# KiCad board TERES_PCB1-A64-MAIN_Rev.B.kicad_pcb (continued)
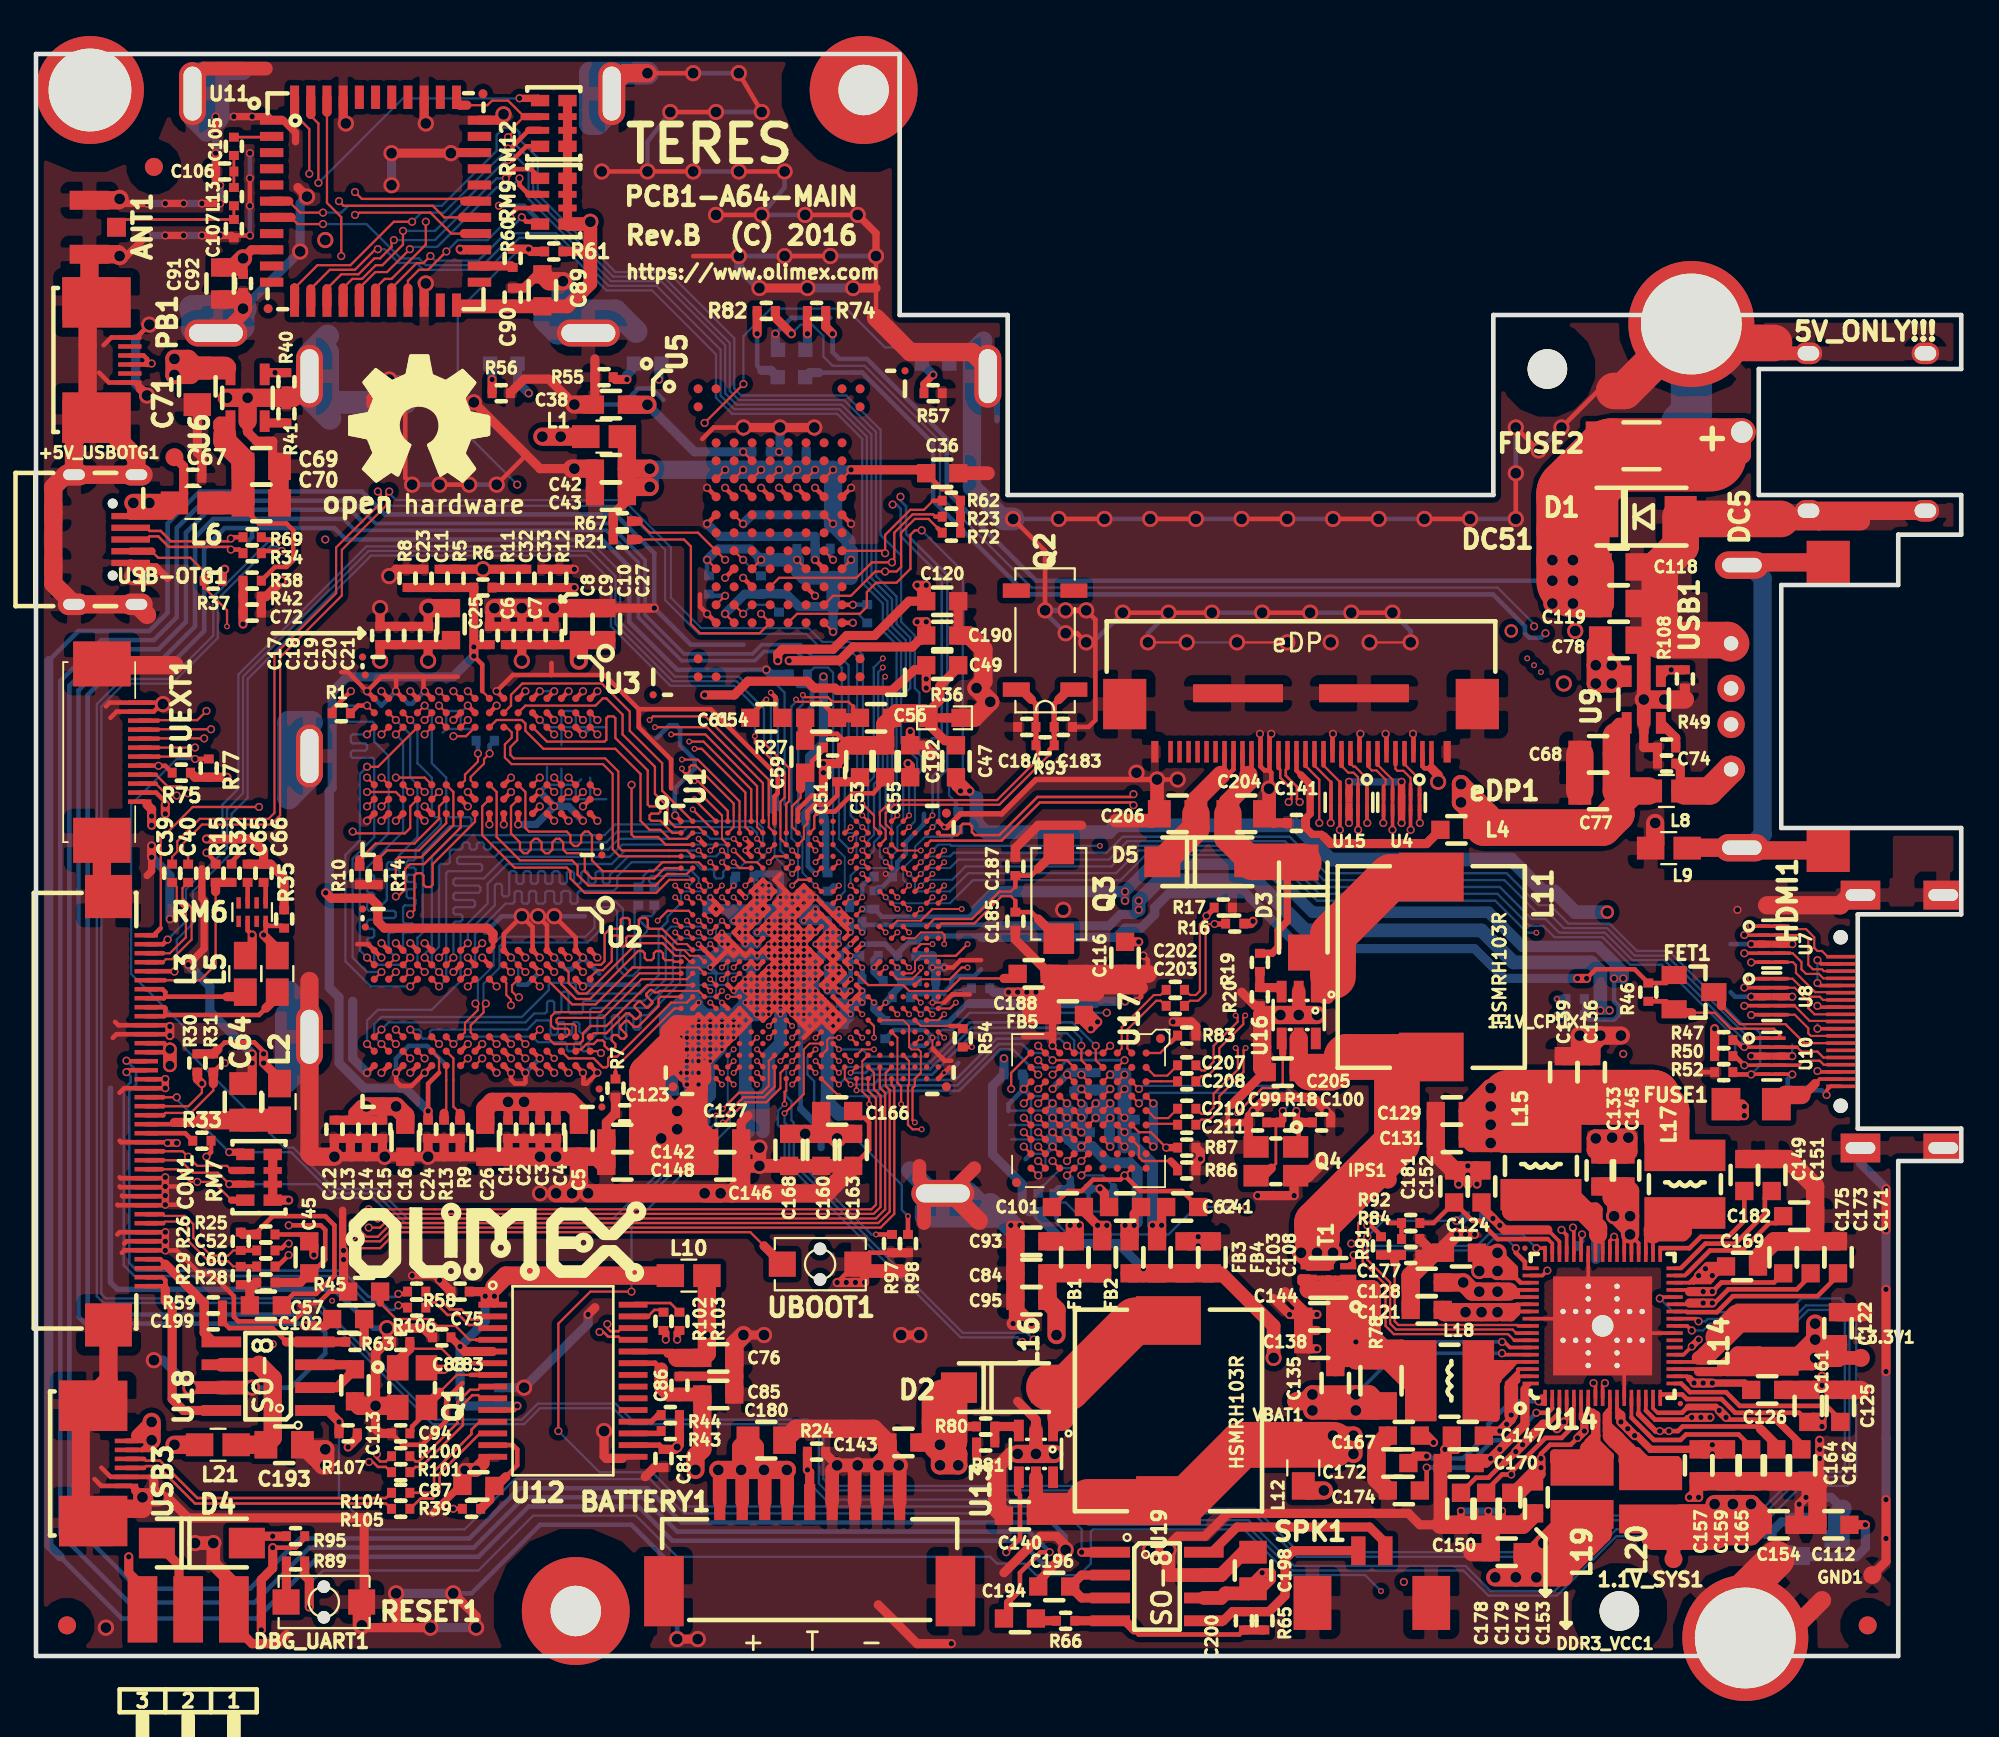
[diagram p0: board, top side]
## Routing (per net, layer and track width the routed paths; a pad name or vN(x,y) marks a point on that pad's centre or on a via; arc(x,y) is an arc through that point) (continued)
eDP_1.2V: length 60.3
  Top w0.203: U14.14 89.07,13.48
  Top w0.254: v2(90.25,12.5) v2(90.75,12.5) 91.26,12.5 91.52,12.75 95.71,12.75 95.83,12.62
  Top w0.305: v2(90.25,12.5) 90.02,12.5 89.07,13.44 89.07,13.48
  Top w0.508: 95.83,12.62 96.72,11.73 C164.2
  Top w1.016: v1(56.72,17.83) 56.72,19.23 C95.1 C84.1 FB1.1 FB2.1
  In4.Cu w0.508: 69.8,13.13 69.8,12.88 71.7,10.97 72.21,10.97 73.35,9.83 81.23,9.83 81.61,9.45 83.9,9.45 84.4,8.94 89.87,8.94 90.25,9.32 v2(90.25,12.5) v2(90.75,12.5)
  In4.Cu w0.762: 69.8,13.13 69.8,16.94 68.4,18.34 57.23,18.34 v1(56.72,17.83)
eDP_2.5V: length 87.8
  Top w0.127: U1.U16 v4(45.93,35.65)
  Top w0.203: U14.16 89.87,13.76 90.12,13.51 90.18,13.51
  Top w0.254: 90.18,13.51 91.48,13.51 91.8,13.83 91.82,13.83 ; 96.85,13 96.72,13.13 94.06,13.13 v2(93.93,13.26)
  Top w0.381: 91.82,13.83 93.36,13.83 v2(93.55,13.64)
  Top w0.406: 96.85,13 98.12,11.73 C162.2
  Top w0.508: v2(93.93,13.26) v2(93.55,13.64) ; v2(61.54,21.51) 61.54,21.26
  Top w0.762: v1(68.78,16.56) 68.78,18.34 65.86,21.26 C108.1
  Top w1.016: FB3.1 FB4.1 C103.1 C108.1
  In3.Cu w0.406: v4(45.93,35.65) 47.15,35.65 49,33.8 51.34,33.8 51.94,33.2 52,33.2
  In3.Cu w0.508: 52.02,33.2 52,33.2 v2(53.8,33.2)
  In4.Cu w0.508: v2(93.55,13.64) v2(93.93,13.26) 93.93,10.72 92.66,9.45 91.52,9.45 90.25,8.18 84.02,8.18 83.51,8.69 81.36,8.69 80.97,9.07 72.97,9.07 71.83,10.21 71.32,10.21 68.78,12.75 v1(68.78,16.56)
  Bottom w0.127: 59.51,24.69 57.73,24.69 57.23,25.2 56.21,25.2 R99.1
  Bottom w0.254: R94.1 59.51,24.69
  Bottom w0.508: v2(53.8,33.2) C209.1 53.16,31.67 53.16,27.86 54.81,26.21 54.81,25.07 55.19,24.69 R99.1 55.7,24.44 57.23,22.91 60.15,22.91 v2(61.54,21.51)
FC_HPDET: length 9.7
  Top w0.127: 9.98,42.47 9.98,38.41 9.12,37.54 7.16,37.54
  Top w0.254: CON1.35 7.16,37.54
  Top w0.508: 9.98,42.47 R15.1 R32.1
FC_HPOUTFB: length 64.1
  Top w0.107: 41.38,45.4 41.38,46.05
  Top w0.127: U1.C10 41.38,45.4 ; 41.38,46.05 41.38,47.46 41.6,47.69 41.6,49.07 39.95,50.72 v4(39.95,51.1)
  Top w0.254: v2(7.7,38.02) 7.68,38.04 CON1.36
  Bottom w0.127: v4(39.95,51.1) 39.95,52.76 38.81,53.9 35.25,53.9 31.95,57.2 31.95,59.74 30.56,61.14 18.62,61.14 11.76,54.28 11.76,47.68 10.87,46.79 10.87,44.63 8.71,42.47 8.71,40.69 7.82,39.8 7.82,38.15 v2(7.7,38.02)
FC_HPOUTL: length 9.4
  Top w0.254: 12.78,35.99 12.39,35.61 7.19,35.61 ; 7.19,35.61 7.12,35.54 CON1.31 ; 7.19,35.61 7.19,35.99 7.14,36.04 CON1.32
  Top w0.508: 12.78,35.99 13.41,36.63 L5.2
FC_HPOUTR: length 7.1
  Top w0.254: 7.1,36.54 7.19,36.63 ; 7.1,36.54 7.19,36.63 ; 7.1,36.54 CON1.33 ; 7.19,36.63 10.62,36.63 ; 7.19,36.63 7.19,36.88 7.03,37.04 CON1.34
  Top w0.508: L3.2 11.38,36.63 10.62,36.63
HUSB2-D_N: length 4.4
  Top w0.142: R58.2 21.69,20.24 21.98,19.95 22.3,19.95 23,19.25 23.63,19.25 24.19,18.69 24.58,18.69 24.75,18.87 U12.2
HUSB2-D_P: length 4.4
  Top w0.142: U12.3 24.75,18.22 24.58,18.39 24.07,18.39 23.51,18.95 22.87,18.95 22.17,19.65 21.98,19.65 21.69,19.36 R106.2
HUSB3-D_N: length 7.1
  Top w0.142: R100.1 20.8,11.1 21.09,10.81 21.28,10.81 23.42,12.94 23.42,14.08 24.13,14.79 24.58,14.79 24.75,14.97 U12.8
HUSB3-D_P: length 7.1
  Top w0.142: U12.9 24.75,14.32 24.58,14.49 24.25,14.49 23.72,13.96 23.72,12.82 21.41,10.5 21.09,10.5 20.8,10.21 R101.1
IC-CLK: length 89.4
  Top w0.107: 50.47,38.9 49.18,38.9 48.85,38.58 48.85,38.08 48.69,37.92 48.2,37.92
  Top w0.127: v2(9.73,51.49) 6.81,51.49 6.79,51.47 ; v4(51.78,39.55) 51.12,38.9 50.47,38.9
  Top w0.254: EUEXT1.9 6.79,51.47
  In3.Cu w0.127: v2(9.73,51.49) 10.24,51.99 10.24,53.77 14.17,57.71 14.17,62.92 18.49,67.23 26.36,67.23 27.64,68.5 30.43,68.5 32.08,66.85 34.37,66.85 35.51,65.71 35.51,62.53 36.4,61.65 45.41,61.65 45.92,61.14 45.92,60.11 47.32,58.71 47.32,56.44 46.69,55.8 46.69,53.9 50.24,50.34 53.16,50.34 54.18,49.33 54.18,41.2 52.53,39.55 v4(51.78,39.55)
IC-CS: length 96.2
  Top w0.107: 47.88,37.6 48.7,37.6 49.18,38.08 v4(49.18,38.25)
  Top w0.127: v2(9.47,52.5) 8.97,51.99 6.81,51.99 6.78,51.97 ; 47.88,37.6 47.55,37.92
  Top w0.254: EUEXT1.10 6.78,51.97
  In3.Cu w0.107: 53.42,37.9 49.53,37.9
  In3.Cu w0.127: 49.53,37.9 v4(49.18,38.25) ; v2(9.47,52.5) 9.47,53.77 12.9,57.2 12.9,62.53 18.24,67.87 25.86,67.87 27.13,69.14 28.52,69.14 29.67,70.28 30.3,70.28 33.1,67.49 34.75,67.49 36.14,66.09 36.14,62.92 36.91,62.15 47.83,62.15 49.99,59.99 49.99,57.22 48.84,56.08 48.84,53.65 50.88,51.61 53.8,51.61 55.45,49.96 55.45,39.93 53.42,37.9
IC-MISO: length 91.7
  Top w0.127: v2(9.35,50.98) 6.81,50.98 6.8,50.97 ; U1.K18 v4(47.22,40.2)
  Top w0.254: EUEXT1.8 6.8,50.97
  In3.Cu w0.107: 47.55,39.88 48.85,39.88 49.5,39.23 52.1,39.23
  In3.Cu w0.127: v4(47.22,40.2) 47.55,39.88 ; 52.1,39.23 52.71,39.23 54.43,40.95 54.43,49.45 53.29,50.6 50.37,50.6 47.7,53.26 47.7,58.98 46.43,60.25 46.43,61.14 45.67,61.9 36.78,61.9 35.89,62.79 35.89,65.96 34.62,67.23 32.33,67.23 30.68,68.89 27.25,68.89 25.98,67.61 18.36,67.61 13.16,62.41 13.16,57.07 9.98,53.9 9.98,52.38 9.22,51.62 9.22,51.23 9.35,51.1 v2(9.35,50.98)
IC-MOSI: length 99.1
  Top w0.127: v2(8.84,50.47) 8.83,50.47 6.8,50.47 ; U1.T21 v4(49.18,36.3)
  Top w0.254: EUEXT1.7 6.8,50.47
  In3.Cu w0.107: v4(49.18,36.3) 49.55,36.68 52.4,36.68 52.7,36.37
  In3.Cu w0.127: 52.7,36.37 56.21,36.37 57.73,37.9 57.73,42.72 56.46,43.99 56.46,50.85 50.24,57.07 50.24,60.12 47.96,62.41 47.93,62.41 37.03,62.41 36.4,63.04 36.4,66.22 34.87,67.74 33.22,67.74 30.43,70.54 29.54,70.54 28.4,69.39 27,69.39 25.73,68.12 18.11,68.12 12.65,62.66 12.65,57.33 8.97,53.65 8.97,51.23 8.86,51.12 8.86,50.72 v2(8.84,50.47)
IPS: length 324.1
  Top w0.203: 91.9,15.42 91.78,15.54 U14.19 ; 87.87,13.6 88.09,13.39 88.09,13.55 87.87,13.77 ; 87.87,13.6 87.87,13.22 v2(88.09,13) ; 87.87,13.6 87.87,13.77 ; 82.37,15.8 82.37,15.92 82.38,15.94 U14.66 ; 82.37,15.8 82.37,15.54 U14.67 ; 82.37,15.8 81.74,15.17 81.74,14.91 81.99,14.91 ; 82.47,20.34 82.37,20.24 82.37,19.99 82.42,19.94 ; 82.47,20.34 U14.55 ; 82.47,20.34 81.96,20.34 81.86,20.24 82.17,19.94 82.42,19.94 ; 82.42,19.94 U14.56 ; v1(88.59,23.42) 88.27,23.09 U14.40 ; v1(88.59,23.42) 88.67,23.34 U14.39 ; v1(88.59,23.42) 89.07,22.94 U14.38 ; 91.88,20.74 92.28,21.13 v2(92.41,21.13) 92.41,21.01 92.15,20.75 ; 91.88,20.74 U14.32 ; 91.88,20.74 92.14,20.74 92.15,20.75 ; 92.15,20.75 93.04,20.75 93.17,20.88 v2(93.17,21.13) ; v2(92.02,17.2) 91.57,16.74 U14.22 ; 87.87,13.77 U14.11 ; U14.6 85.87,13.44 ; U14.4 85.07,13.16 ; U14.15 89.47,13.64
  Top w0.254: 89.47,13.64 89.98,13.13 91.64,13.13 ; 91.64,13.13 91.9,13.13 v2(92.02,13.26) 91.77,13.26 91.64,13.13 ; 85.07,13.16 v2(84.91,13) ; v2(83.64,10.97) 83.64,11.23 84.15,11.73 85.29,11.73 v2(85.67,12.12) ; v1(72.09,22.4) 72.09,21.91 T1.8 ; v1(71.2,22.4) v1(70.31,22.4) ; C157.2 92.66,11.23 ; 85.87,13.19 v2(86.06,13) 86.06,13.26 85.87,13.44 85.87,13.19 ; 82.37,15.28 81.99,14.91 81.99,15.17 82.37,15.55 82.37,15.28
  Top w0.406: 91.9,15.42 v2(92.15,15.16) ; v2(93.17,15.16) 94.94,15.16 C126.2 ; C157.2 89.74,11.48 88.98,12.24 v2(88.85,12.24) ; v2(92.02,17.2) v2(92.41,17.58)
  Top w0.457: v2(86.06,13) v2(86.06,12.5) v2(85.67,12.12)
  Top w0.508: v2(93.17,21.13) v2(92.79,21.51) ; v2(93.17,21.13) 93.68,21.64 C169.1 92.91,21.64 v2(92.79,21.51) ; v2(93.17,21.13) 93.04,21.01 92.41,21.01 v2(92.41,21.13) v2(92.79,21.51) ; v2(93.04,13.26) v2(92.53,13.26) v2(92.02,13.26) ; v2(93.17,11.73) 93.68,11.73 C159.2 93.68,11.23 v2(93.17,11.23) ; v2(93.17,11.73) 92.66,11.73 C157.2 ; v2(93.17,11.73) v2(93.17,11.23) ; 92.66,11.23 v2(93.17,11.23) ; v2(88.85,12.24) v2(88.47,12.62) v2(88.09,13) 88.09,13.39 ; v2(83.64,10.47) 83.64,10.08 82.63,9.07 C176.2 83.39,10.47 v2(83.64,10.47) ; v2(83.64,10.47) v2(83.64,10.97) ; v2(81.99,13.39) 81.99,13.13 v2(81.74,12.88) v2(81.36,12.5) 80.72,12.5 C147.1 ; v1(70.31,22.4) 70.31,22.08 T1.4 T1.8 ; 74.5,27.36 74.5,26.97 74.37,27.1 74.37,27.23 IPS1.1 ; v2(77.67,11.86) 77.29,12.24 C167.2 ; v2(92.15,15.16) v2(92.66,15.16) v2(93.17,15.16) ; v2(84.91,13) v2(84.53,12.62)
  Top w0.762: 87.58,25.45 87.71,25.32 v1(87.71,24.44) ; v1(88.59,23.42) 88.59,23.55 v1(87.71,24.44) ; U13.5 55.57,8.56 ; 81.99,14.91 v2(81.99,13.39) ; v1(87.71,24.44) v1(88.59,24.44)
  Top w1.016: 87.58,26.09 C145.2 88.59,25.83 v1(88.59,24.44) ; 87.58,26.09 C133.2 ; 87.58,26.09 87.58,25.45 v1(88.59,24.44) ; v1(88.59,24.44) v1(88.59,23.42) ; 70.81,32.44 C205.1 U16.5 ; v1(72.09,12.24) 71.2,12.24 70.43,11.48 ; v1(72.09,12.24) v1(73.22,12.24) v1(73.22,11.23) ; v1(72.09,12.24) 72.09,11.73 ; 55.57,8.56 55.96,8.56 55.57,8.56 ; 55.57,8.56 C140.2 58.5,7.8 58.5,8.56 55.57,8.56 ; v1(7.7,11.73) L21.2 ; C128.1 v1(79.32,20.75) 79.83,20.24 v1(80.21,20.24) v1(81.23,20.24) 81.86,20.24 ; v1(70.31,22.4) v1(71.2,22.4) ; v1(71.2,22.4) v1(72.09,22.4) ; v1(71.2,22.4) 71.2,23.17
  Top w2.032: 70.81,32.44 72,32.44 72.85,33.28
  Top w2.54: 75.64,33.28 75.64,32.82 75.64,33.28 ; 75.64,33.28 72.85,33.28 73.18,33.28 ; 75.64,33.28 L11.1 ; 75.64,33.28 75.64,28.5 71.2,24.05 71.2,23.17 ; 58.5,8.56 62.86,8.56 L16.1 63.91,8.64 67,11.73 72.09,11.73
  In3.Cu w0.254: v2(83.9,56.82) 83.9,55.3 84.15,55.04 84.15,53.52 86.06,51.61 86.06,39.04 85.17,38.15 85.17,37.13 85.8,36.5 88.98,36.5 90.12,35.36 90.12,30.78 92.41,28.5 92.41,21.89 v2(92.79,21.51)
  In3.Cu w0.762: 72.72,11.73 v1(73.22,11.23) ; 72.72,11.73 72.21,12.24 v1(72.09,12.24) ; 72.72,11.73 71.96,10.97 ; v1(73.22,11.23) 72.46,10.47 ; v1(73.22,11.23) v1(73.22,12.24) v1(72.09,12.24) ; 71.58,10.97 71.58,10.47 71.46,10.47 71.96,10.97 ; 71.96,10.97 71.96,12.12 v1(72.09,12.24)
  In3.Cu w1.016: 72.46,10.47 71.07,10.47 71.58,10.97 70.31,9.7 70.31,7.29 69.04,6.02 67.77,6.02 66.5,4.75 53.54,4.75 53.29,5 40.21,5 33.86,11.35 23.32,11.35 20.14,8.18 11.25,8.18 v1(7.7,11.73)
  In4.Cu w0.508: v2(77.67,11.86) 73.6,11.86 v1(73.22,12.24)
  In4.Cu w0.762: v1(79.32,20.75) 79.83,20.24
  In4.Cu w1.016: 79.83,20.24 v1(80.21,20.24) 79.77,20.24 ; 79.77,20.24 v1(81.23,20.24) 82.75,20.24 ; 79.77,20.24 78.94,20.24 78.05,19.36 ; 77.29,19.99 78.05,20.75 v1(79.32,20.75) 79.07,21.01 79.07,22.02
  Bottom w0.254: v2(83.9,56.82) 83.64,56.57 83.01,56.57 82.75,56.82 82.75,57.2 80.97,58.98 55.07,58.98 49.86,64.19 49.86,67.36 45.92,71.3 43.51,71.3
  Bottom w0.508: 43.51,71.3 43,71.3 CHGLED1.2
PA-ENABLE: length 135.9
  Top w0.127: 49.5,44.42 v4(49.82,44.75)
  Top w0.254: U19.1 59,5.77
  Top w0.508: 59,5.77 v2(58.12,5.77) ; R107.1 v2(16.84,13) 16.2,13.64 U18.1
  In3.Cu w0.127: v2(16.84,13) 17.06,13.23 17.19,13.23 24.97,21.01 40.08,21.01 42.49,23.42 45.03,23.42 45.41,23.04 47.83,23.04 48.21,23.42 59.77,23.42 60.02,23.67 60.02,24.82 63.32,28.12 63.32,28.5 62.81,29.01 62.81,31.93 61.8,32.94 61.8,34.09 60.02,35.86 60.02,44.12 v4(59.13,45.01)
  Bottom w0.107: 50.15,45.08 50.8,45.08
  Bottom w0.127: v4(59.13,45.01) 50.87,45.01 50.8,45.08 ; v4(49.82,44.75) 50.15,45.08 ; v2(16.84,13) 16.84,8.81 18.62,7.04 23.83,7.04 26.62,9.83 34.11,9.83 36.02,7.92 57.23,7.92 58.12,7.04 v2(58.12,5.77)
PMU-SCK: length 86.8
  Top w0.127: 46.25,44.42 v4(45.93,44.75)
  Top w0.203: v2(85.42,23.8) 85.47,23.75 U14.47
  In2.Cu w0.127: v4(47.07,54.91) 47.32,55.17 48.21,55.17 53.03,59.99 77.67,59.99 82.63,55.04 v4(83.26,55.04)
  In3.Cu w0.127: v2(85.42,23.8) 84.4,24.82 84.4,34.98 84.91,35.48 84.91,36.12 v4(84.53,36.5) 84.4,36.63 84.4,38.53 85.42,39.55 85.42,51.36 83.26,53.52 v4(83.26,55.04)
  Bottom w0.107: 46.25,45.08 46.25,45.3 46.57,45.62
  Bottom w0.127: 46.57,45.62 46.57,48.45 46.81,48.69 46.81,54.66 v4(47.07,54.91) ; v4(45.93,44.75) 46.25,45.08
  Bottom w0.406: R88.1 v4(84.53,36.5)
PMU-SDA: length 86.4
  Top w0.127: U1.C17 v4(45.93,45.4)
  Top w0.203: v2(84.78,23.67) 85.07,23.39 U14.48
  In2.Cu w0.127: v4(47.07,55.42) 48.08,55.42 52.91,60.25 77.8,60.25 82.63,55.42 v4(82.88,55.42)
  In3.Cu w0.127: v2(84.78,23.67) 84.78,23.8 84.15,24.44 84.15,35.1 84.53,35.48 v4(84.53,35.61) 84.15,35.99 84.15,38.79 85.17,39.8 85.17,51.23 82.88,53.52 v4(82.88,55.42)
  Bottom w0.107: 46.25,45.73 46.25,47.67
  Bottom w0.127: v4(47.07,55.42) 46.56,54.91 46.56,48.82 46.25,48.51 46.25,47.67 ; v4(45.93,45.4) 46.25,45.73
  Bottom w0.406: R90.1 v4(84.53,35.61)
T_BAT: length 88.7
  Top w0.203: v2(90.25,19.86) 90.32,19.94 U14.30
  Top w0.508: R24.1 v2(42.88,10.34) 43,10.21 BATTERY1.5
  Bottom w0.127: v2(42.88,10.34) 42.88,9.7 43.89,8.69 57.48,8.69 58.62,7.54 67.39,7.54 69.93,5 79.45,5 80.85,3.61 84.4,3.61 87.83,7.04 95.71,7.04 98.12,9.45 100.66,9.45 101.17,9.96 101.17,18.97 100.28,19.86 98.12,19.86 97.36,19.1 91.01,19.1 v2(90.25,19.86)
TWI0-SCK: length 26.2
  Top w0.127: U1.W11 v4(42.03,34.35) ; U17.E8 v2(58.1,27.5)
  In3.Cu w0.107: 41.7,34.03 41.7,31.55
  In3.Cu w0.127: v2(58.1,27.5) 57.7,27.1 57.1,27.1 56.3,26.3 55.4,26.3 54.9,26.8 52.32,26.8 51.76,27.36 47.7,27.36 46.3,28.75 45.8,28.75 44.91,29.64 44.02,29.64 42.37,31.29 41.96,31.29 41.7,31.55 ; v4(42.03,34.35) 41.7,34.03
  Bottom w0.127: 55.96,26.09 56.97,27.1 57.7,27.1 v2(58.1,27.5)
  Bottom w0.254: 55.96,26.09 55.7,25.83 R99.2
TWI0-SDA: length 24.4
  Top w0.127: U17.E9 v2(58.1,26.7) ; U1.AA10 v4(41.38,33.05)
  In3.Cu w0.127: v2(58.1,26.7) 57.3,25.9 55.3,25.9 54.7,26.5 52.11,26.5 51.64,26.97 47.57,26.97 46.18,28.37 45.8,28.37 44.78,29.39 43.76,29.39 42.24,30.91 41.86,30.91 41.38,31.4 v4(41.38,33.05)
  Bottom w0.127: 59.89,26.09 59.28,26.7 v2(58.1,26.7)
  Bottom w0.406: R94.2 59.89,26.09
TWI1-SCK: length 66.3
  Top w0.127: U1.AC4 v4(38.12,31.75)
  Top w0.254: 6.8,49.47 v2(6.81,49.45) ; 6.8,49.47 v2(6.81,49.45) ; 6.8,49.47 EUEXT1.5 ; v2(6.81,49.45) 7.19,49.45 R75.2
  In3.Cu w0.127: v2(6.81,49.45) 5.41,48.06 5.41,38.91 9.22,35.1 9.22,32.69 9.86,32.06 9.86,30.91 12.01,28.75 12.01,21.39 12.78,20.62 17.6,20.62 20.78,23.8 32.72,23.8 37.16,28.25 37.16,30.28 38.12,31.24 v4(38.12,31.75)
TWI1-SDA: length 64.9
  Top w0.107: 40.72,33.05 40.72,31.67
  Top w0.127: v2(8.84,49.84) 8.71,49.97 6.81,49.97 ; 40.72,31.67 40.34,31.29 39.06,31.29 v4(38.18,30.4) ; U1.AA9 40.72,33.05
  Top w0.254: 6.81,49.97 EUEXT1.6 ; R77.2 v2(8.84,49.84)
  Bottom w0.127: v4(38.18,30.4) 37.54,30.4 37.41,30.28 37.41,29.64 32.08,24.31 20.65,24.31 19,25.96 16.59,25.96 14.3,28.25 13.79,28.25 8.2,33.83 8.2,34.98 5.28,37.9 5.28,47.3 7.82,49.84 v2(8.84,49.84)
USB0-D_N: length 73.2
  Top w0.127: U1.B22 v4(49.82,46.05)
  Top w0.142: USB-OTG1.2 6.14,62.68 6.31,62.5 6.93,62.5 7.51,61.93 10.68,61.93 v2(10.83,62.08)
  Top w0.254: v2(10.83,62.08) 10.91,62.15 R69.2
  In3.Cu w0.119: v2(10.83,62.08) 10.83,63.85 19.19,72.21 35.57,72.21 38.11,69.67 43.57,69.67 47.35,65.9 47.35,64.88 47.83,64.4 v2(48.04,64.4)
  Bottom w0.127: v4(49.82,46.05) 50.2,46.43 50.2,47.3
  Bottom w0.142: v2(48.04,64.4) 48.04,64.18 48.36,63.87 48.36,62.34 50.65,60.06 50.65,49.26 50.14,48.76 50.14,47.36 50.2,47.3
USB0-D_P: length 73.3
  Top w0.127: U1.A22 v4(49.82,46.7)
  Top w0.142: USB-OTG1.3 6.14,62.03 6.31,62.2 6.8,62.2 7.38,61.62 10.68,61.62 v2(10.83,61.47)
  Top w0.254: v2(10.83,61.47) 11.3,61.47 R34.2
  In3.Cu w0.119: v2(10.83,61.47) 11.24,61.88 11.24,62.28 11.14,62.38 11.14,63.73 19.32,71.91 35.45,71.91 37.99,69.37 43.45,69.37 47.04,65.77 47.04,64.76 47.61,64.19 v2(47.61,63.97)
  Bottom w0.127: 49.83,47.21 49.82,47.2 v4(49.82,46.7)
  Bottom w0.142: 49.83,47.21 49.83,48.88 50.34,49.39 50.34,50.22 50.22,50.34 49.81,50.34 49.68,50.47 49.68,50.85 49.81,50.98 50.22,50.98 50.34,51.1 50.34,59.93 48.06,62.22 48.06,63.74 47.83,63.97 v2(47.61,63.97)
USB0-DRV: length 170.7
  Top w0.203: v2(83.39,22.66) 83.77,22.66 83.87,22.56 U14.51
  Top w0.508: U6.4 12.81,71.3 v2(13.28,71.3) R40.2
  In3.Cu w0.127: v2(73.1,22.91) 73.33,22.69 73.45,22.69 73.74,22.4 73.74,19.23 74.12,18.85 74.12,13.26 73.86,13 73.86,10.59 72.34,9.07 72.34,6.4 69.93,3.99 53.16,3.99 53.03,4.11 39.95,4.11 33.6,10.47 26.24,10.47 23.19,7.42 5.16,7.42 4.39,8.18 4.39,51.36 9.98,56.95 9.98,64.82 13.28,68.12 v2(13.28,71.3)
  Bottom w0.127: v2(73.1,22.91) 73.23,22.78 80.09,22.78 80.72,23.42 82.63,23.42 v2(83.39,22.66)
USB5V: length 154.1
  Top w0.254: CON1.28 7.11,34.04 v3(7.44,33.71) 7.28,33.54 CON1.27
  Top w0.508: 87.83,51.1 87.83,51.74 87.96,51.87 88.38,51.87 U9.1
  Top w0.762: v3(7.44,32.82) v3(7.44,33.71)
  Top w1.016: L8.1 89.1,48.06 87.83,46.79 ; 80.85,46.41 80.34,45.9 L4.2 79.83,46.79 v1(79.2,47.42) v1(79.2,48.44) 80.85,46.79 80.85,46.41 ; 80.85,46.41 80.47,46.02
  Top w1.524: 87.83,51.1 C68.2 C77.2 L8.1
  Top w2.032: 80.59,46.02 80.47,46.02 87.07,46.02 87.83,46.79
  In3.Cu w0.762: 7.19,32.82 v3(7.44,32.82) v3(7.44,33.71) 6.93,33.2 6.93,33.07 7.19,32.82
  In3.Cu w1.016: 6.81,32.94 6.93,33.07 6.3,32.44 6.3,30.02 5.16,28.88 5.16,16.18 11.89,9.45 19.63,9.45 22.81,12.62 27.64,12.62 29.16,14.15 32.33,14.15 32.84,13.64 ; v1(79.2,48.44) v1(79.2,47.42) 78.69,46.91
  In3.Cu w2.032: 78.69,46.91 78.69,43.48 77.04,41.83 77.04,36.37 73.1,32.44 73.1,25.32 71.83,24.05 69.42,24.05 68.66,23.29 68.66,19.99 68.28,19.61 68.28,18.47 66.5,16.69 66.5,15.42 64.72,13.64 32.84,13.64
Net-(ANT1-Pad1): length 7.5
  Top w0.152: ANT1.1 4.9,79.81 C107.2 11,80.57
Net-(C35-Pad2): length 77.6
  Top w0.127: v2(45.3,65.9) U5.F9 ; v2(39.3,65.9) U5.F3 ; v2(41.3,65.9) U5.F5 ; v2(43.3,65.9) U5.F7 ; U5.F6 v2(42.3,65.9) ; U5.L2 v2(37.3,60.9) ; U5.L4 v2(40.3,60.9) ; U5.F4 v2(40.3,65.9) ; U5.F2 v2(38.3,65.9) ; U5.L7 v2(42.3,60.9) ; U5.F8 v2(44.3,65.9) ; U5.H3 v2(39.3,62.9) ; U5.H8 v2(44.3,62.9) ; U5.P8 v2(44.3,56.9) ; U5.P3 v2(38.3,57.9) ; U5.L9 v2(45.3,60.9)
  Top w0.254: R62.2 50.75,64.82 50.37,64.82 49.48,65.71
  Top w0.406: R72.2 R23.2 R62.2
  Top w0.508: v2(45.3,65.9) 49.03,65.9 49.22,65.71 49.48,65.71 ; C43.1 32.84,64.19 32.08,63.42 R67.2 R21.2
  Top w1.016: C42.1 32.84,67.49 L1.2 ; C42.1 v1(34.11,65.96) ; C42.1 C43.1 32.97,64.95 32.84,64.95 v1(34.11,64.95)
  Bottom w0.127: R70.2 45.69,57.9 44.3,57.9
  Bottom w0.254: v2(37.3,60.9) 37.3,60.11 R79.2
  Bottom w0.508: v2(44.3,65.9) v2(45.3,65.9) ; 44.3,63.4 39.8,63.4 v2(39.3,62.9) ; v2(40.3,60.9) 39.7,61.5 37.9,61.5 v2(37.3,60.9) ; v2(43.3,65.9) 42.81,66.39 C44.1 ; v2(42.3,60.9) 42.29,60.91 C35.2 ; v2(38.3,57.9) 39.39,58.99 R76.2 40.32,59.01 R73.2 41.69,59.01 42.4,58.3 44.3,58.3 v2(44.3,56.9)
  Bottom w0.762: 44.3,59.9 45.3,59.9 v2(45.3,60.9) 45.3,61.38 R71.2 45.16,61.94 44.3,62.8 v2(44.3,62.9) ; 44.3,59.9 44.3,59.8 44.3,59.9 ; 44.3,59.9 42.7,59.9 42.3,60.3 v2(42.3,60.9) v2(40.3,60.9) ; 44.3,59.9 44.3,58.3
  Bottom w1.016: v1(34.11,64.95) v1(34.11,65.96) 34.18,65.9 v2(38.3,65.9) v2(39.3,65.9) v2(40.3,65.9) v2(41.3,65.9) v2(42.3,65.9) v2(43.3,65.9) v2(44.3,65.9) v2(44.3,62.9) 44.3,63.4
Net-(C37-Pad2): length 8.7
  Top w0.127: U5.E4 v2(39.3,66.9)
  Top w1.016: C38.2 32.85,69.51 v1(33.99,69.51)
  Bottom w0.508: v1(33.99,69.51) 36.6,66.9 v2(39.3,66.9) C37.2
Net-(C39-Pad2): length 5.9
  Top w0.119: C39.2 7.82,42.72 7.82,41.96 8.33,41.45 8.33,39.93 7.44,39.04 7.07,39.04 7.06,39.04
  Top w0.254: CON1.38 7.06,39.04
Net-(C40-Pad2): length 6.6
  Top w0.119: 7.05,38.54 7.22,38.71 7.56,38.71 8.65,39.8 8.65,41.58 8.14,42.09 8.14,42.66 C40.2
  Top w0.254: CON1.37 7.05,38.54
Net-(C51-Pad1): length 6.2
  Top w0.107: 42.68,45.4 42.68,46.05
  Top w0.127: 42.88,46.53 42.88,46.25 42.68,46.05 ; U1.C11 42.68,45.4
  Top w0.254: C51.1 44.53,47.8 44.02,47.3 43.26,47.3 42.88,46.91 42.88,46.53
  Top w0.508: C51.1 45.54,48.56 45.8,48.82
Net-(C54-Pad2): length 31.3
  Top w0.127: v4(42.03,42.8) 42.35,43.12 U1.F12 ; 45.41,52.76 45.16,53.01 44.27,53.01 44.02,53.26 42.75,53.26 v4(42.62,53.39) ; v4(42.24,53.14) 42.37,53.01 43.64,53.01 43.89,52.76 ; U1.G13 v4(43.32,42.8)
  Top w0.254: 45.41,52.76 45.41,52.5 C56.2 ; C54.2 43.89,52.76
  Top w0.508: C54.2 C56.2
  Bottom w0.107: 42.35,43.12 42.35,45.08 42.03,45.4 ; U1.F12 42.59,43.53 42.59,45.48 42.35,45.73
  Bottom w0.127: v4(43.32,42.8) U1.F12 ; v4(42.62,53.39) 42.62,52.88 42.37,52.63 42.37,47.3 42.24,47.17 42.24,45.84 42.35,45.73 ; v4(42.24,53.14) 42.24,53.01 41.99,52.76 41.99,45.44 42.03,45.4 ; v4(42.03,42.8) 42.35,43.12
Net-(C55-Pad1): length 6
  Top w0.127: 43.38,46.79 43.26,46.66 43.26,45.98 U1.B12
  Top w0.254: 43.38,46.79 43.51,46.91 44.4,46.91 45.41,47.93 46.54,47.93 47.19,48.69 47.19,48.82
Net-(C57-Pad1): length 2.3
  Top w0.508: R28.1 12.14,20.62 11.89,20.62 ; 11.89,20.62 11.89,20.5 11.89,20.62 ; 11.89,20.62 C57.1 ; 11.89,20.62 R29.2
Net-(C57-Pad2): length 12.4
  Top w0.254: C57.2 14.3,20.12 15.57,20.12 16.59,21.13 16.59,23.93 16.08,24.44 13.16,24.44 12.27,23.55 R25.1
  Top w0.508: R26.2 11.51,23.42 R25.1
Net-(C59-Pad1): length 5.6
  Top w0.107: 42.03,46.05 42.03,46.7
  Top w0.127: 42.49,48.18 42.49,47.68 42.03,47.21 42.03,46.7 ; U1.B11 42.03,46.05
  Top w0.254: C59.1 43.13,49.45 43.13,49.71 43.76,50.34 R27.1
  Top w0.508: 42.49,48.18 42.49,48.82 C59.1
Net-(C61-Pad1): length 12.1
  Top w0.127: v4(42.03,43.45) U1.E11
  Top w0.254: v4(40.59,53.14) 39.7,52.25 C61.1
  Bottom w0.107: 41.05,44.42 41.05,45.08
  Bottom w0.127: v4(42.03,43.45) 41.05,44.42 ; v4(40.59,53.14) 40.84,52.88 40.84,46.91 41.05,46.71 41.05,45.08
Net-(C61-Pad2): length 12
  Top w0.127: v4(42.03,44.1) U1.E10
  Top w0.254: v4(40.84,53.52) 41.1,53.26 41.1,52.5 C61.2
  Bottom w0.127: v4(42.03,44.1) 41.38,44.75 41.38,46.89 41.22,47.04 41.22,53.14 v4(40.84,53.52)
Net-(C64-Pad1): length 7.5
  Top w0.254: 7.7,29.64 7.6,29.54 CON1.19
  Top w0.508: 7.7,29.64 9.22,29.64 9.35,29.77
  Top w1.016: C64.1 9.35,29.77
  Top w1.27: C64.1 L2.2
Net-(C65-Pad2): length 1.1
  Top w0.254: C65.2 11.76,42.97 RM6.2.2
Net-(C66-Pad2): length 1.2
  Top w0.254: C66.2 12.76,42.86 RM6.4.2
Net-(C69-Pad2): length 15
  Top w0.254: C70.2 11.51,63.8 12.39,62.92 13.92,62.92 14.3,62.53 14.3,60.88 13.92,60.5 13.28,60.5 R38.2
  Top w0.508: 10.49,67.87 10.11,68.25 10.11,68.5 10.21,68.6 U6.1
  Top w1.27: 10.49,67.87 10.49,67.49 11.51,66.47 C69.2 C70.2 L6.1
Net-(C74-Pad1): length 4.8
  Top w0.508: L8.2 91.39,48.31 91.39,49.33 C74.1
  Top w1.524: L8.2 93.01,48.06 USB1.1
Net-(C75-Pad1): length 28.1
  Top w0.254: 24.97,19.74 25.19,19.52 U12.1 25.48,19.61
  Top w0.305: v2(26.75,13.89) 26.52,13.67 U12.10
  Top w0.406: C83.1 v2(23.57,17.2)
  Top w0.508: v2(23.57,17.2) 23.85,16.92 U12.5 ; 25.48,19.61 v2(25.48,19.99) ; v2(25.48,19.99) 25.22,20.24 C75.1 ; v2(25.48,19.99) 25.48,20.5 ; v2(25.48,19.99) v2(24.97,19.99) 24.97,19.74
  Top w1.016: 25.48,20.5 26.11,21.13 L10.2
  Bottom w0.508: v2(25.48,19.99) v2(24.97,19.99) 24.97,18.59 v2(23.57,17.2) 23.57,14.28 23.95,13.89 C82.1 v2(26.75,13.89)
Net-(C76-Pad1): length 20
  Top w0.305: C81.1 34.64,11.72 U12.16 ; 35.13,16.81 35.03,16.92 U12.24
  Top w0.508: 35.13,16.81 35.38,16.81 35.64,16.56 ; C81.1 35.51,11.48 v6(35.64,11.61) 35.76,11.73 R43.1 R44.1
  Top w1.016: 37.29,21.13 v6(37.29,17.83) 37.29,16.81 C76.1 35.64,16.56
  In2.Cu w0.762: v6(37.29,17.83) 37.29,14.02 35.64,12.37 v6(35.64,11.61)
Net-(C87-Pad1): length 5.7
  Top w0.254: 26.11,9.96 26.75,10.59 26.75,11.48 26.51,11.72 U12.13